# Altium PCB PCB SOM AM625.PcbDoc (part 3 of 6) (continued)
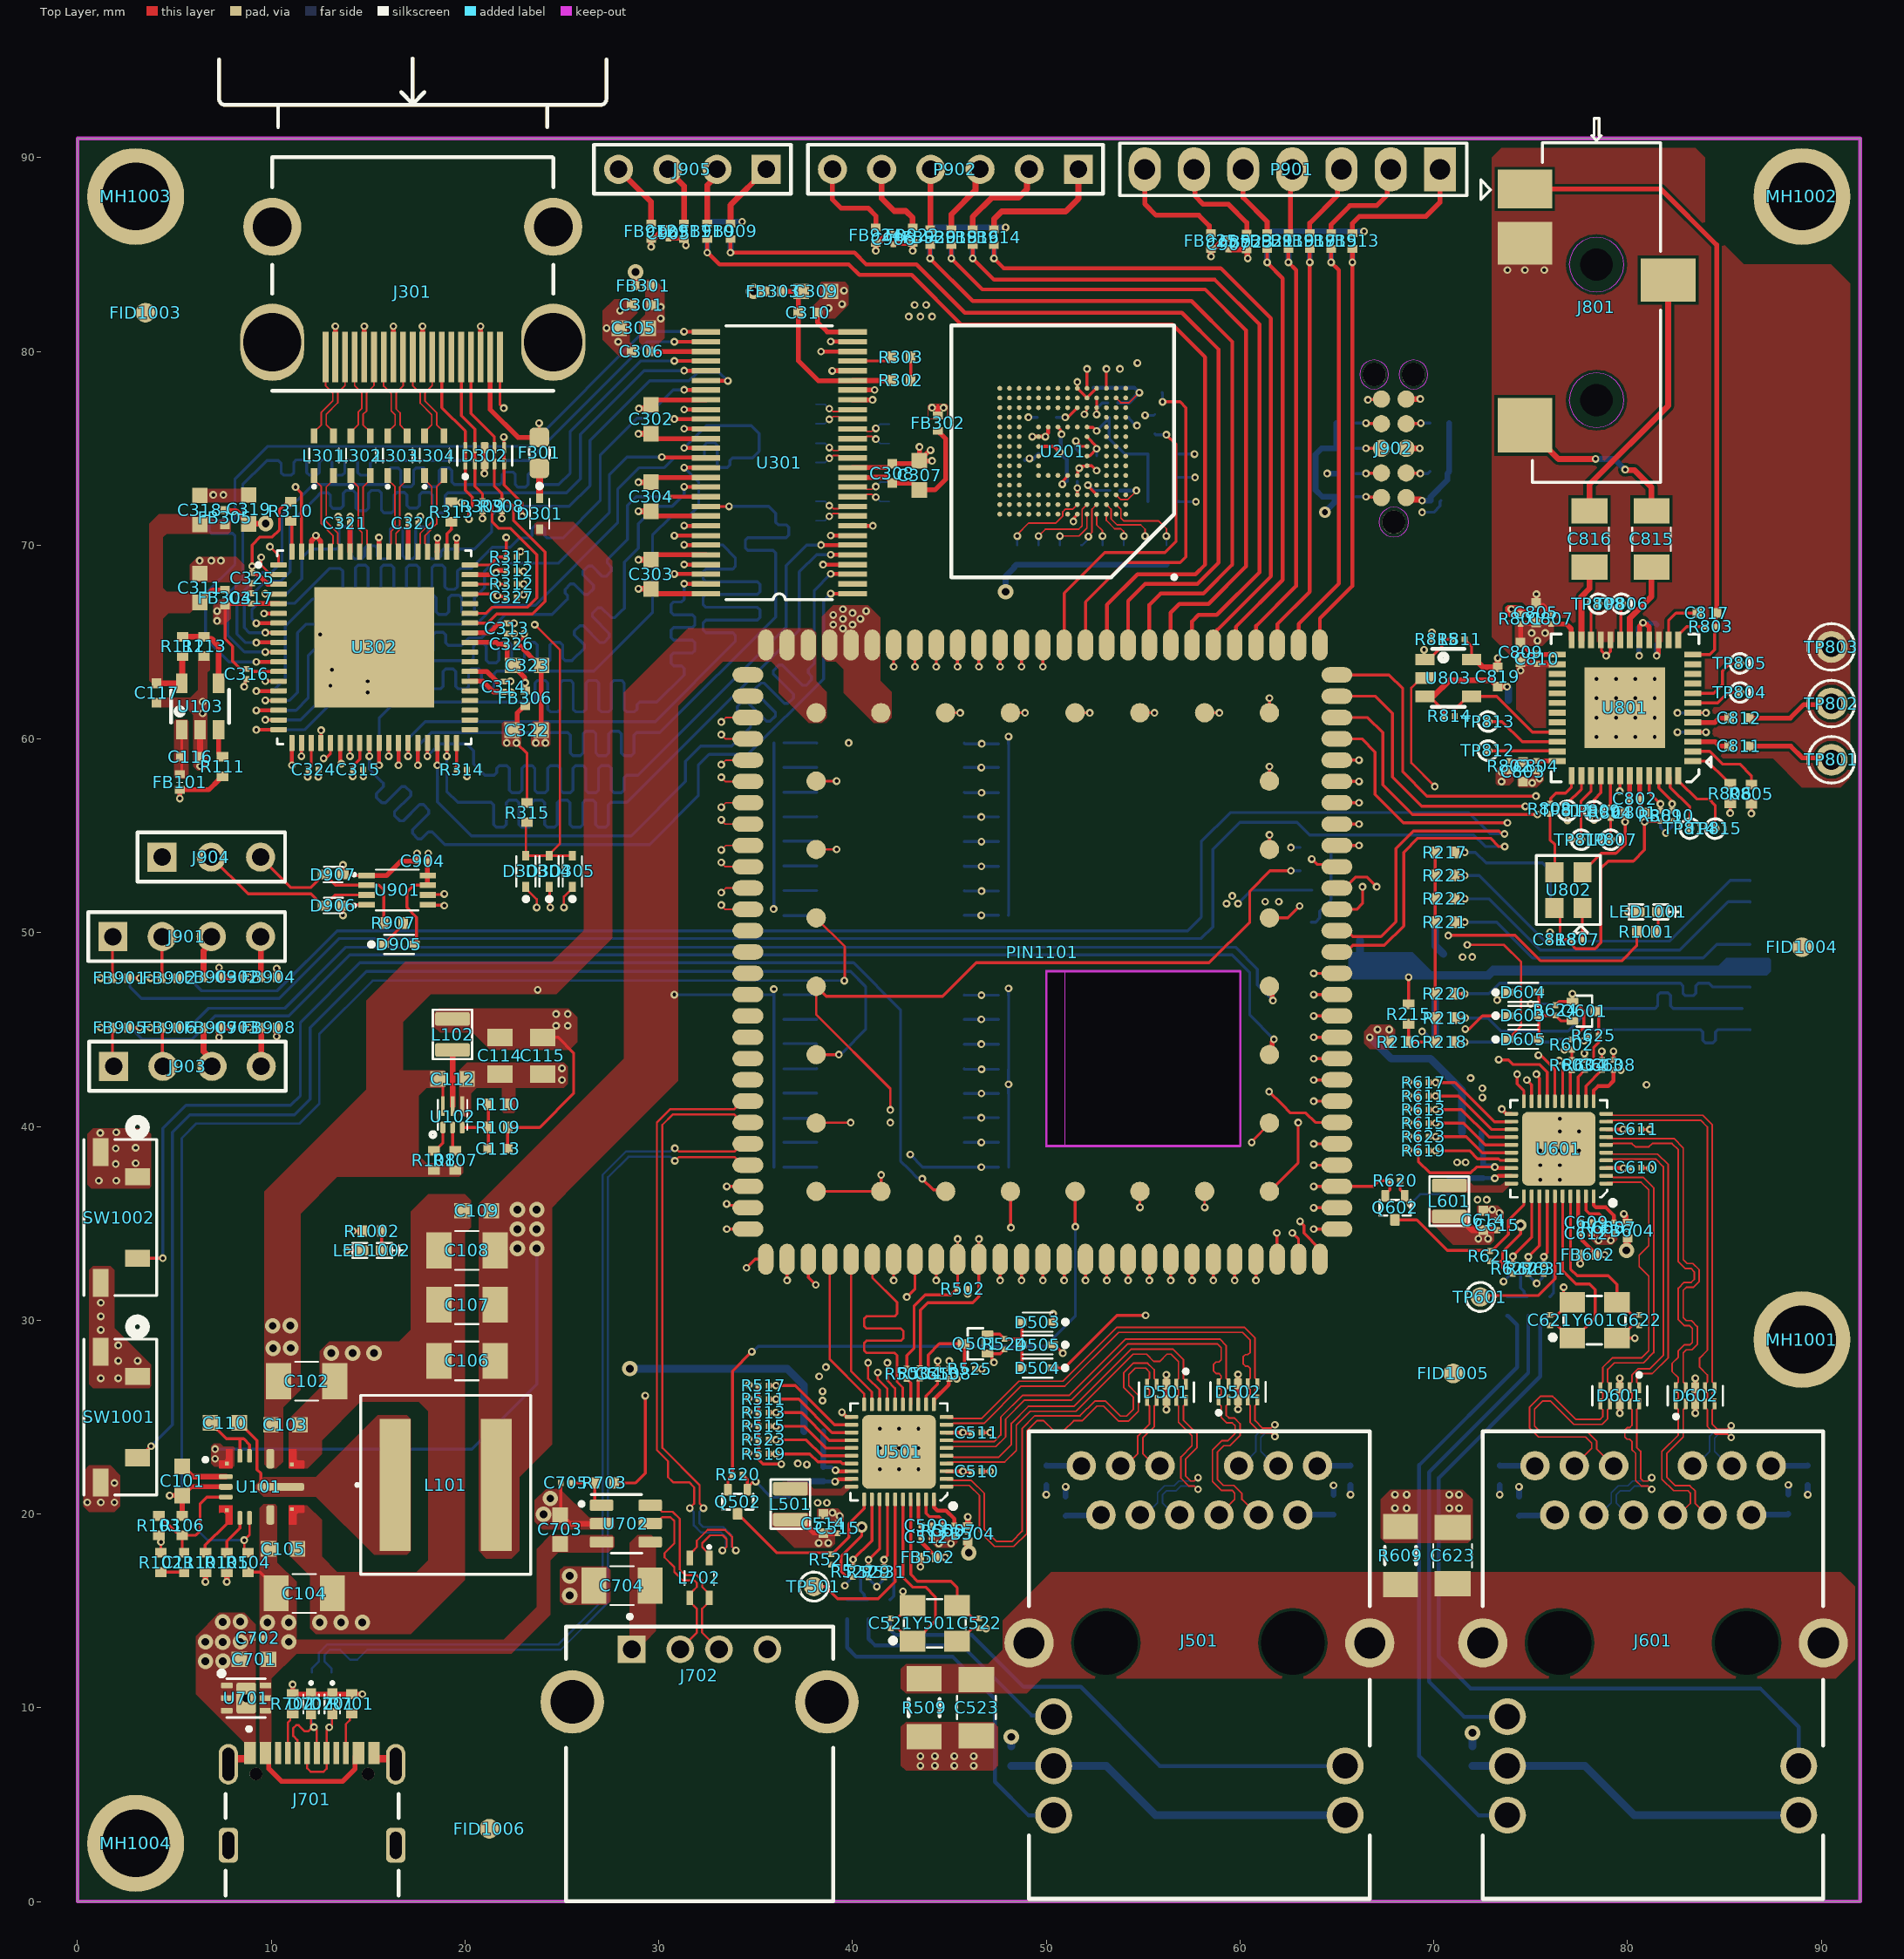
[diagram p0: Top Layer view]
## Nets (pads, with @x,y where several pads share a name; then routed paths per layer and width w, separated by ;. In a path a pad name is that pad's centre, name@x,y a point inside that pad or via, vN(x,y) a via of type N, cw(c..) or ccw(c..) an arc to the next point about the centre after c; other vN are vias at no path point) (continued)
  Top Layer w0.2: v1(38.479,68.996) U301.4@40,68.996 ; U301.8@40,71.003 v1(41.047,71.003) v1@41.05,71 ; U201.H10@49.6,75.1 50.4,75.1 v1(50.7,74.8)
  Top Layer w0.25: v1(4.75,20.95) C101.2@5.4,20.95 ; R106.1@5.4,19.9 C101.2@5.4,20.95 ; U101.3@7.65,21.4 5.85,21.4 C101.2@5.4,20.95 ; v1(11.1,11.2) R702.1@11.1,10.7 D702.1@12.05,10.7 D701.1@13.15,10.7 R701.1@14.15,10.7 v1(14.7,10.7) ; U302.70@12.06,69.666 12.07,69.676 12.07,70.23 v1@12.3,70.459 ; v1(12.3,70.5) v1@12.3,70.459 ; U302.69@12.56,69.666 12.55,69.676 12.55,70.209 v1@12.3,70.459 ; J301.2@13.3,79.715 v1(13.3,81.3) ; J301.5@14.8,79.715 v1(14.8,81.3) ; U901.1@14.924,52.95 15.95,52.95 16.7,53.7 C904.2@17.535,53.7 17.535,54.078 v1(17.52,54.093) ; v1(15.55,70.4) 15.555,70.395 15.555,69.671 U302.63@15.56,69.666 ; J301.8@16.3,79.715 v1(16.3,81.3) ; J301.11@17.8,79.715 v1(17.8,81.3) ; U302.57@18.56,69.666 18.568,69.673 18.568,70.368 v1(18.575,70.375) ; U302.55@19.56,69.666 v1(19.56,70.373) ; U302.43@20.245,63.481 21.119,63.481 21.635,62.965 C314.2@22.1,62.965 ; J301.17@20.8,79.715 v1(20.8,81.3) ; v1(21,73.7) 21.005,73.705 21.005,74.193 D302.3@21.01,74.198 D302.8@21.01,75.033 ; C314.2@22,62.965 22.005,62.97 22.345,62.97 v1(22.35,62.975) ; C313.2@22.136,65.421 C313.2@22.15,65.435 ; C326.2@22.665,64.9 22.69,64.875 22.775,64.875 23.925,63.725 C322.2@23.925,60.45 ; C303.2@29.6,69.25 29.854,69.504 U301.52@32.431,69.504 ; C304.2@29.6,73.25 29.842,73.492 U301.44@32.431,73.492 ; C302.2@29.6,77.25 29.855,77.505 U301.36@32.431,77.505 ; C310.2@38.2,82 38.2,81.5 38.69,81.01 U301.28@40,81.01 ; v1(38.95,79) 38.952,79.002 39.998,79.002 U301.24@40,79.004 ; U301.14@40,74 41.844,74 C308.2@42.05,74.206 43.3,74.206 C307.2@43.45,74.356 ; U301.21@40,77.505 v1(41.03,77.505) ; U301.22@40,78.013 v1(41.137,78.013) ; v1(43.45,75.075) C307.2@43.45,74.356 ; v1(44.025,74.9) 43.994,74.9 C307.2@43.45,74.356 ; v1(44.1,74.35) 43.456,74.35 C307.2@43.45,74.356 ; v1(56.2,25.382) D501.8@56.2,25.865 D501.3@56.2,26.7 v1(56.2,27.183) ; v1(59.9,25.4) D502.3@59.9,25.883 D502.8@59.9,26.718 v1(59.9,27.2) v1@59.9,27.25 ; v1(79.6,25.2) D601.8@79.6,25.683 D601.3@79.6,26.518 v1(79.6,27) v1@79.6,27.05 ; v1(79.875,55.725) C801.2@79.875,56.2 80.11,56.435 C802.2@80.11,56.9 80.114,56.904 80.114,58.102 U801.43@80.119,58.106 ; v1(83.5,25.2) D602.3@83.5,25.683 D602.8@83.5,26.518 v1(83.5,27) v1@83.5,27.05
  Top Layer w0.3: C116.2@6.325,59.075 U103.2@6.325,60.475 ; v1(7.7,16.5) R105.1@7.7,17 ; C903.2@8.5,45.1 v1(8.85,45.1) ; C902.2@8.5,47.7 v1(8.85,47.7) ; v1(10.275,44.65) FB908.2@10.275,45.1 ; FB904.2@10.275,47.7 v1(10.275,48.15) ; C703.2@24.9,19.95 25.35,19.5 U702.2@27.045,19.5 ; v1(28.95,69.25) C303.2@29.6,69.25 ; v1(28.95,73.25) C304.2@29.6,73.25 ; v1(28.975,77.05) 28.994,77.069 29.419,77.069 C302.2@29.6,77.25 ; v1(29.6,85.4) FB912.2@29.6,85.8 29.65,85.85 29.774,85.85 30.289,86.365 C905.2@30.5,86.365 ; v1(41.2,85.2) FB924.2@41.2,85.6 41.25,85.65 41.377,85.65 41.792,86.065 C906.2@42.1,86.065 ; v1(58.5,84.9) FB925.2@58.5,85.3 58.55,85.35 58.71,85.35 59.16,85.8 C907.2@59.4,85.8 ; J902.3@68.57,75 v1(69.275,75) ; J902.5@68.57,77.54 68.575,77.545 69.295,77.545 v1(69.3,77.55) ; U803.3@69.55,62.2 69.975,62.2 70.8,63.025 72.975,63.025 C819.2@73.3,62.7 v1(73.775,62.7)
  Top Layer w0.4: J701.S1@7.78,7.08 7.78,7.09 8.057,7.368 8.8,7.368 8.9,7.468 J701.B12@8.9,7.655 ; J701.B1@15.3,7.655 15.3,7.468 15.4,7.368 16.143,7.368 16.42,7.09 J701.S2@16.42,7.08
  Bottom Layer w0.15: v1(1.19,47.66) D901.1@1.7,47.66 ; v1(1.2,45.1) D903.1@1.7,45.1 ; v1@3.715,47.66 v1(3.76,47.66) D902.1@4.25,47.66 ; v1(3.75,45.1) D904.1@4.25,45.1 ; v1(34.635,23.14) 34.647,23.128 35.122,23.128 R518.1@35.14,23.11 ; v1(34.635,23.865) 34.647,23.852 35.122,23.852 R522.1@35.14,23.835 ; v1(34.635,24.565) 34.647,24.552 35.122,24.552 R514.1@35.14,24.535 ; v1(34.635,25.265) 34.647,25.252 35.122,25.252 R512.1@35.14,25.235 ; v1(34.635,25.965) 34.647,25.952 35.122,25.952 R510.1@35.14,25.935 ; v1(34.64,26.66) 34.652,26.648 35.127,26.648 R516.1@35.145,26.63 ; v1(39.6,16.3) 39.6,16.335 40.015,16.75 R526.1@40.025,16.75 ; R528.1@40.825,16.732 40.9,16.657 40.9,16.6 v1(41.25,16.25) 41.55,16.55 41.55,16.657 R530.1@41.625,16.732 ; v1(48.05,47.125) 48.052,47.122 48.052,46.778 R425.1@48.055,46.775 R426.1@48.055,45.525 R427.1@48.055,44.25 R428.1@48.055,42.95 48.052,42.947 48.052,42.178 v1(48.05,42.175) 48.052,42.172 48.052,41.703 R429.1@48.055,41.7 R430.1@48.055,40.45 R431.1@48.055,39.175 R432.1@48.055,37.9 ; v1(48.05,60.125) 48.052,60.122 48.052,59.753 R417.1@48.055,59.75 R418.1@48.055,58.525 R419.1@48.055,57.225 R420.1@48.055,55.975 R421.1@48.055,54.7 R422.1@48.055,53.425 R423.1@48.055,52.15 R424.1@48.055,50.9 R424.1@48.052,50.897 ; v1(49.075,76.6) R212.1@49.525,76.6 ; v1(50.825,73.15) 50.873,73.198 50.958,73.198 C210.2@51.06,73.3 ; v1(52.148,73.098) 52.202,73.098 52.475,72.825 C212.2@53.285,72.825 ; C201.2@52.6,74.615 v1(52.6,74.975) ; v1(68.695,38.78) 68.707,38.768 69.182,38.768 R618.1@69.2,38.75 ; v1(68.695,39.505) 68.707,39.493 69.182,39.493 R622.1@69.2,39.475 ; v1(68.695,40.205) 68.707,40.193 69.182,40.193 R614.1@69.2,40.175 ; v1(68.695,40.905) 68.707,40.893 69.182,40.893 R612.1@69.2,40.875 ; v1(68.695,41.605) 68.707,41.593 69.182,41.593 R610.1@69.2,41.575 ; v1(68.7,42.3) 68.712,42.288 69.187,42.288 R616.1@69.205,42.27 ; v1(69.4,44.9) 69.448,44.852 69.523,44.852 70.025,44.35 D207.1@70.075,44.35 ; v1(69.4,71.7) 70,71.7 70.323,72.023 70.323,72.258 C901.2@70.365,72.3 ; D210.1@70.075,50.55 D206.1@70.075,54.15 ; v1(73.6,32) 73.925,32.325 74.01,32.325 R626.1@74.08,32.395 ; R628.1@74.88,32.377 74.955,32.302 74.955,32.245 v1(75.305,31.895) 75.605,32.195 75.605,32.302 R630.1@75.68,32.377 ; v1(75,46.325) 75.875,46.325 J201.10@76.025,46.175 ; R812.1@81.7,55.76 81.7,55.425 v1(81.975,55.15) 82.298,55.473 82.298,55.758 R813.1@82.3,55.76
  Bottom Layer w0.2: C205.2@48.9,74.4 48.945,74.445 49.321,74.445 C203.2@49.593,74.716 ; v1(50.785,75.729) 50.747,75.691 50.747,74.847 v1(50.7,74.8) 50.7,74.75 50.85,74.6 50.885,74.6 51.06,74.425 C202.2@51.06,73.975 C210.2@51.06,73.3 ; C206.2@52.425,78.135 C207.2@53.1,78.135 C209.2@53.85,78.135 54.54,78.135 v1(54.8,77.875) 54.275,77.35 C208.2@53.705,77.35
  Bottom Layer w0.3: D909.1@32.5,86.7 D908.1@33.7,86.7 v1(34.3,86.7) ; D913.1@44,86.4 D912.1@45.1,86.4 D911.1@46.2,86.4 D910.1@47.3,86.4 v1(47.9,86.4) ; v1(50,21) C516.2@50,21.5 ; C517.2@51,20.9 v1(51,21.4) ; D918.1@61.4,86.2 D917.1@62.5,86.2 D916.1@63.6,86.2 D915.1@64.7,86.2 D914.1@65.8,86.2 v1(66.4,86.2) ; v1(64.5,73.7) R906.1@64.97,73.7 ; C518.2@64.825,20.975 v1(64.825,21.475) ; v1(65.7,21) C519.2@65.7,21.5 ; v1(73.4,21) C616.2@73.4,21.5 ; C617.2@74.4,20.9 v1(74.4,21.4) ; C618.2@88.3,21 v1(88.3,21.5) ; v1(89.3,21) C619.2@89.3,21.5
  Bottom Layer w0.4: C520.2@48.195,8.005 v2(48.195,8.495) ; D207.1@70.075,44.35 D209.1@70.075,46.85 ; D210.1@70.075,50.55 70.075,49.325 C215.2@70.5,48.9 ; C620.2@72,8 v2(72,8.7) ; v1(73.775,62.7) 73.85,62.625 FB801.2@73.85,62
  other v1: 43.5,7 44.25,7 45.25,7 46.25,7 43.5,7.5 44.25,7.5 45.25,7.5 46.25,7.5 44.45,18.475 45.075,18.475 39.335,19.89 38.96,20.065 68,20.3 68.6,20.3 70.8,20.3 71.3,20.3 38.2,20.575 38.675,20.575 0.5,20.6 1.2,20.6 1.9,20.6 68,21 68.6,21 70.8,21 71.3,21 1.9,21.6 41.4,22.3 42.4,22.3 43.4,22.3 37.64,22.546 37.175,22.603 41.4,23.4 42.4,23.4 43.4,23.4 41.4,24.4 42.4,24.4 43.4,24.4 38.45,25.85 38.451,26.327 1.2,27 2.1,27 2.1,27.9 3.1,27.9 2.1,28.7 1.2,29.5 1.2,30.2 1.2,30.9 78.505,34.12 79.13,34.12 73.39,35.535 73.015,35.71 72.255,36.22 72.73,36.22 1.1,37.2 2,37.2 75.5,37.25 76.5,37.25 75.5,38 76.5,38 1.969,38.066 3,38.1 71.2,38.146 71.644,38.146 75.5,38.75 76.5,38.75 77.5,38.75 1.969,38.866 3,38.9 1.169,39.666 2,39.7 76.5,39.75 77.5,39.75 76.5,40.4 72.505,41.495 72.506,41.972 25,42.4 25,43 71.483,48.746 71.986,48.749 61.3,51.6 62,51.6 75.078,57.731 75.45,57.961 6.325,58.6 23.65,59.8 24.15,59.8 6.45,61.325 6.45,61.925 14.975,62.4 13.05,62.75 14.975,62.975 13.125,63.575 12.525,65.4 39.5,65.7 39,65.9 40,65.9 39.5,66.2 40.4,66.2 39,66.4 40,66.5 40.7,66.6 39.5,66.7 6.3,69.2 6.9,69.2 7.4,69.2 22.861,69.676 7,72.6 7.525,72.6 49.133,74.478 27.9,80.5 27.3,81.2 28,82.1 38.757,82.239 39.457,82.439 39.557,83.139
  other v2: 8.7,10.481 6.6,12.4 7.5,12.4 6.6,13.4 7.492,13.387 8.4,13.4 7.492,14.425 12.5,14.4 13.6,14.4 14.7,14.4 8.4,14.438 25.4,15.8 25.4,16.8 24.05,19.975 24.4,20.8 13.1,28.3 14.2,28.3 15.3,28.3
GND_E: C523.2 C623.2 J501.18 J501.19 J601.18 J601.19 R509.2 R609.2
GPIO1: TP812.1 U801.35 | length 3.6
  Top Layer w0.15: TP812.1@72.8,59.4 72.822,59.378 76.347,59.378 U801.35@76.369,59.357
GPIO2: TP813.1 U801.34 | length 3.9
  Top Layer w0.15: TP813.1@72.875,60.9 73.525,60.9 74.569,59.856 U801.34@76.369,59.856
GPIO_AUD_RSTn: PIN1101.130 R811.1 R815.2 U803.1 | length 39.4
  Top Layer w0.122: v1(69.5,64.6) 69.5,64.15 U803.1@69.55,64.1
  Top Layer w0.15: PIN1101.130@61.515,36.65 63,38.135 v1(63,40.2) ; U803.1@69.55,64.1 69.75,64.1 70.425,64.775 R815.2@70.425,65.15 R811.1@71.06,65.15
  Layer 4 w0.122: v1(63,40.2) 64.1,40.2 64.6,40.7 64.6,51.6 64.2,52 62.9,52 62.1,52.8 62.1,57.1 62.6,57.6 62.6,61.1 63.1,61.6 64.6,61.6 67.6,64.6 v1(69.5,64.6)
HDMI_CEC: D302.1 D302.10 J301.13 U302.71 | length 22.2
  Top Layer w0.15: v1(11.25,73) 11.56,72.689 U302.71@11.56,69.666 ; J301.13@18.8,79.715 18.8,77.1 20.01,75.89 D302.10@20.01,75.033 D302.1@20.01,74.198 20.01,72.84 20.375,72.475 20.375,72.034 20.2,71.859 v1(20.2,71.35)
  Layer 4 w0.122: v1(11.25,73) 12.05,72.2 18.8,72.2 19.65,71.35 v1(20.2,71.35)
HDMI_CLKOUT: U301.26 U302.22 | length 52.4
  Top Layer w0.15: U302.22@12.56,59.796 12.568,59.803 12.568,60.443 v1(12.575,60.45)
  Top Layer w0.2: v1(38.37,79.993) 38.372,79.994 U301.26@40,79.994 U301.26@40.001,79.996
  Layer 4 w0.122: v1(12.575,60.45) 13.175,59.85 13.175,57.625 13.725,57.075 30.8,57.075 31.875,58.15 31.875,63.55 34.637,66.313 36.575,66.313 38.262,68 39.1,68 39.65,68.55 39.65,79.4 39.057,79.993 v1(38.37,79.993)
HDMI_D0: U301.27 U302.13 | length 43.5
  Top Layer w0.15: v1(9.69,62.986) 9.695,62.981 U302.13@10.375,62.981
  Top Layer w0.2: v1(38.876,80.51) 38.884,80.502 U301.27@40,80.502
  Layer 4 w0.122: v1(9.69,62.986) 9.389,62.986 8.725,63.65 8.725,66.325 9.325,66.925 10.5,66.925 14.475,70.9 23.6,70.9 25.775,73.075 25.775,76 28.275,78.5 32.65,78.5 34.66,80.51 v1(38.876,80.51)
HDMI_D1: U301.29 U302.11 | length 43
  Top Layer w0.2: v1(9.225,63.975) 9.228,63.978 10.373,63.978 U302.11@10.375,63.981 ; v1(31.3,81.025) 31.307,81.018 32.423,81.018 U301.29@32.431,81.01
  Bottom Layer w0.15: v1(9.225,63.975) 7.825,63.975 6.6,65.2 6.6,67.5 8.125,69.025 8.125,70.411 8.125,70.486 7.993,70.618 6.912,70.618 6.78,70.75 6.78,71.144 6.912,71.276 7.993,71.276 8.125,71.408 8.125,71.802 8.125,73.425 9.8,75.1 23.3,75.1 29.225,81.025 v1(31.3,81.025)
HDMI_D2: U301.30 U302.10 | length 43.1
  Top Layer w0.15: v1(9.69,64.486) 9.695,64.481 U302.10@10.375,64.481 U302.10@10.38,64.476
  Top Layer w0.2: v1(30.8,80.5) 30.801,80.501 32.43,80.501 U301.30@32.431,80.502
  Bottom Layer w0.15: v1(9.69,64.486) 8.614,64.486 7.75,65.35 7.75,67.475 8.525,68.25 8.525,73.125 9.639,74.239 9.775,74.375 10.372,74.375 10.503,74.243 10.503,73.748 10.635,73.617 11.03,73.617 11.161,73.748 11.161,74.272 11.293,74.404 11.688,74.404 11.819,74.272 11.819,73.748 11.951,73.617 12.346,73.617 12.477,73.748 12.477,74.272 12.609,74.404 13.004,74.404 13.135,74.272 13.135,73.748 13.267,73.617 13.662,73.617 13.793,73.748 13.793,74.272 13.925,74.404 14.32,74.404 14.451,74.272 14.451,73.748 14.583,73.617 14.978,73.617 15.109,73.748 15.109,74.243 15.241,74.375 16.613,74.375 23.275,74.375 29.4,80.5 v1(30.8,80.5)
HDMI_D3: U301.32 U302.9 | length 43
  Top Layer w0.2: v1(9.225,64.975) 9.228,64.978 10.373,64.978 U302.9@10.375,64.981 ; v1(30.801,79.511) 30.802,79.512 U301.32@32.431,79.512 U301.32@32.432,79.513
  Bottom Layer w0.15: v1(9.225,64.975) 8.675,64.975 8.225,65.425 8.225,67.275 9.55,68.6 10.025,68.6 10.55,69.125 10.55,71.525 12.15,73.125 15.824,73.125 15.899,73.125 16.03,73.257 16.03,73.852 16.162,73.984 16.557,73.984 16.688,73.852 16.688,73.157 16.82,73.025 17.215,73.025 17.346,73.157 17.346,73.852 17.478,73.984 17.873,73.984 18.004,73.852 18.004,73.157 18.136,73.025 18.531,73.025 18.662,73.157 18.662,73.852 18.794,73.984 19.189,73.984 19.32,73.852 19.32,73.257 19.452,73.125 20.731,73.125 21.725,73.125 21.8,73.125 21.932,73.257 21.932,73.644 22.063,73.776 22.458,73.776 22.59,73.644 22.59,73.132 22.721,73 23.116,73 23.248,73.132 23.248,73.644 23.379,73.776 23.774,73.776 23.906,73.644 23.906,73.257 24.037,73.125 24.528,73.125 24.825,73.125 25.425,73.725 25.425,75.875 29.061,79.511 v1(30.801,79.511)
HDMI_D4: U301.33 U302.8 | length 43
  Top Layer w0.15: v1(9.69,65.486) 9.695,65.481 U302.8@10.375,65.481 U302.8@10.38,65.476
  Top Layer w0.2: v1(31.307,79.011) 31.315,79.004 U301.33@32.431,79.004 U301.33@32.438,78.997
  Bottom Layer w0.15: v1(9.69,65.486) 8.864,65.486 8.6,65.75 8.6,67.05 9.7,68.15 10.5,68.15 10.975,68.625 10.975,71.125 12.317,72.467 12.55,72.7 12.918,72.7 13.05,72.568 13.05,72.034 13.181,71.902 13.576,71.902 13.708,72.034 13.708,72.693 13.839,72.825 14.234,72.825 14.366,72.693 14.366,71.917 14.497,71.785 14.892,71.785 15.024,71.917 15.024,72.693 15.155,72.825 15.55,72.825 15.682,72.693 15.682,71.796 15.813,71.664 16.208,71.664 16.34,71.796 16.34,72.593 16.471,72.725 16.866,72.725 16.998,72.593 16.998,72.043 17.129,71.911 17.524,71.911 17.656,72.043 17.656,72.593 17.787,72.725 18.182,72.725 18.314,72.593 18.314,71.796 18.445,71.664 18.84,71.664 18.972,71.796 18.972,72.568 19.103,72.7 19.445,72.7 25.225,72.7 25.95,73.425 25.95,75.725 29.236,79.011 v1(31.307,79.011)
HDMI_D5: U301.34 U302.4 | length 43
  Top Layer w0.15: v1(9.685,67.491) 9.69,67.486 10.37,67.486 U302.4@10.375,67.481
  Top Layer w0.2: U301.34@32.438,78.489 v1@33.554,78.489
  Bottom Layer w0.15: v1(9.685,67.491) 10.791,67.491 11.575,68.275 11.575,69.35 12.025,69.8 13.29,69.8 13.365,69.8 13.496,69.932 13.496,70.824 13.628,70.956 14.023,70.956 14.154,70.824 14.154,69.432 14.286,69.3 14.681,69.3 14.812,69.432 14.812,69.843 14.944,69.975 15.339,69.975 15.47,69.843 15.47,69.432 15.602,69.3 15.997,69.3 16.128,69.432 16.128,70.824 16.26,70.956 16.655,70.956 16.786,70.824 16.786,69.432 16.918,69.3 17.313,69.3 17.444,69.432 17.444,70.824 17.576,70.956 17.971,70.956 18.102,70.824 18.102,69.432 18.234,69.3 18.629,69.3 18.76,69.432 18.76,69.668 18.892,69.8 19.046,69.8 20.475,69.8 21.375,70.7 21.375,71.55 21.825,72 25.375,72 26.45,73.075 26.45,75.4 29.531,78.481 31.556,78.481 32,78.925 33.118,78.925 v1(33.562,78.481)
HDMI_D6: U301.35 U302.7 | length 43.1
  Top Layer w0.2: v1(9.225,65.975) 9.228,65.978 10.373,65.978 U302.7@10.375,65.981 ; v1(31.307,78.021) 31.315,78.013 U301.35@32.431,78.013 U301.35@32.438,78.006
  Bottom Layer w0.15: v1(9.225,65.975) 9,66.2 9,66.7 9.3,67 11.2,67 12.82,68.62 13,68.8 13.553,68.8 13.685,68.668 13.685,67.853 13.816,67.722 14.211,67.722 14.343,67.853 14.343,68.842 14.474,68.974 14.869,68.974 15.001,68.842 15.001,67.853 15.132,67.722 15.527,67.722 15.659,67.853 15.659,68.842 15.79,68.974 16.185,68.974 16.317,68.842 16.317,67.853 16.448,67.722 16.843,67.722 16.975,67.853 16.975,68.842 17.106,68.974 17.501,68.974 17.633,68.842 17.633,67.853 17.764,67.722 18.159,67.722 18.291,67.853 18.291,68.842 18.422,68.974 18.817,68.974 18.949,68.842 18.949,67.853 19.08,67.722 19.475,67.722 19.607,67.853 19.607,68.668 19.738,68.8 20.228,68.8 20.3,68.8 21.4,69.9 22.325,69.9 22.8,70.375 23.25,70.375 23.325,70.375 23.457,70.507 23.457,70.87 23.588,71.002 23.983,71.002 24.115,70.87 24.115,70.507 24.246,70.375 24.8,70.375 25.05,70.375 26.975,72.3 26.975,74.65 28.875,76.55 29.275,76.55 30.745,78.021 v1(31.307,78.021)
HDMI_D7: U301.37 U302.23 | length 43.5
  Top Layer w0.15: v1(12.7,59) 12.748,59.048 12.848,59.048 13.051,59.251 13.051,59.787 U302.23@13.06,59.796
  Top Layer w0.2: v1(31.307,77.005) 31.315,76.997 U301.37@32.431,76.997 U301.37@32.438,76.99
  Layer 4 w0.122: v1(12.7,59) 12.7,58.94 12.85,58.79 12.85,57.875 12.55,57.575 10.775,57.575 10.175,58.175 10.175,64.875 14.45,69.15 15.65,69.15 16.341,69.15 16.467,69.024 16.467,68.655 16.593,68.529 16.971,68.529 17.097,68.655 17.097,69.034 17.223,69.16 17.601,69.16 17.727,69.034 17.727,68.655 17.853,68.529 18.231,68.529 18.357,68.655 18.357,69.024 18.483,69.15 19,69.15 23.55,69.15 26.825,72.425 26.825,75.65 28.75,77.575 29.425,77.575 29.995,77.005 v1(31.307,77.005)
HDMI_D8: U301.38 U302.20 | length 43.5
  Top Layer w0.15: v1(11.555,59.111) 11.56,59.116 U302.20@11.56,59.796 U302.20@11.565,59.801
  Top Layer w0.2: v1(30.801,76.513) 30.802,76.515 U301.38@32.431,76.515 U301.38@32.432,76.516
  Layer 4 w0.122: v1(11.555,59.111) 11.555,58.405 11.3,58.15 10.825,58.15 10.575,58.4 10.575,64.3 13.15,66.875 14.95,66.875 15.011,66.875 15.137,67.001 15.137,67.285 15.263,67.411 15.641,67.411 15.767,67.285 15.767,66.449 15.893,66.323 16.271,66.323 16.397,66.449 16.397,67.285 16.523,67.411 16.901,67.411 17.027,67.285 17.027,66.449 17.153,66.323 17.531,66.323 17.657,66.449 17.657,67.285 17.783,67.411 18.161,67.411 18.287,67.285 18.287,66.449 18.413,66.323 18.79,66.323 18.916,66.449 18.916,66.749 19.042,66.875 19.489,66.875 23.375,66.875 27.5,71 27.5,75.475 28.538,76.513 v1(30.801,76.513)
HDMI_D9: U301.39 U302.19 | length 43.5
  Top Layer w0.2: U302.19@11.06,59.796 11.063,59.793 11.063,58.648 v1(11.066,58.645) ; v1(31.307,76.014) 31.315,76.007 U301.39@32.431,76.007 U301.39@32.438,75.999
  Layer 4 w0.122: v1(11.066,58.645) 11.066,63.741 12.025,64.7 14.298,64.7 14.359,64.7 14.485,64.826 14.485,65.368 14.611,65.494 14.988,65.494 15.114,65.368 15.114,64.674 15.24,64.548 15.618,64.548 15.744,64.674 15.744,65.368 15.87,65.494 16.248,65.494 16.374,65.368 16.374,64.674 16.5,64.548 16.878,64.548 17.004,64.674 17.004,65.368 17.13,65.494 17.508,65.494 17.634,65.368 17.634,64.674 17.76,64.548 18.138,64.548 18.264,64.674 18.264,65.368 18.39,65.494 18.768,65.494 18.894,65.368 18.894,64.674 19.02,64.548 19.398,64.548 19.524,64.674 19.524,65.368 19.65,65.494 20.028,65.494 20.154,65.368 20.154,64.826 20.28,64.7 21.275,64.7 23.825,64.7 24.45,65.325 24.45,67.025 28.05,70.625 28.05,74.175 29.214,75.339 29.889,76.014 v1(31.307,76.014)
HDMI_D10: U301.41 U302.15 | length 43
  Top Layer w0.15: v1(9.69,61.986) 9.695,61.981 U302.15@10.375,61.981 U302.15@10.38,61.976
  Top Layer w0.2: v1(31.307,75.023) 31.315,75.016 U301.41@32.431,75.016 U301.41@32.438,75.009
  Bottom Layer w0.15: v1(9.69,61.986) 10.936,61.986 11.35,62.4 11.35,65.475 11.8,65.925 20.6,65.925 21.575,66.9 23.625,66.9 27.875,71.15 27.875,72.875 29,74 30.284,74 30.796,74.512 32.15,74.512 32.225,74.512 32.357,74.643 32.357,75.167 32.488,75.298 32.883,75.298 33.015,75.167 33.015,74.143 33.146,74.012 33.541,74.012 33.673,74.143 33.673,74.38 33.804,74.512 34.532,74.512 34.837,74.512 35.175,74.85 35.175,75.775 34.775,76.175 32.459,76.175 v1(31.307,75.023)
HDMI_D11: U301.42 U302.14 | length 43
  Top Layer w0.2: v1(9.225,62.475) 9.228,62.478 10.373,62.478 U302.14@10.375,62.481 ; v1(30.15,74.55) 30.171,74.529 32.41,74.529 U301.42@32.431,74.508
  Bottom Layer w0.15: v1(9.225,62.475) 10.075,62.475 10.725,63.125 10.725,65.825 12.125,67.225 12.376,67.225 12.451,67.225 12.583,67.357 12.583,67.496 12.714,67.628 13.109,67.628 13.241,67.496 13.241,66.565 13.372,66.433 13.767,66.433 13.899,66.565 13.899,67.29 14.03,67.422 14.425,67.422 14.557,67.29 14.557,66.565 14.688,66.433 15.083,66.433 15.215,66.565 15.215,67.29 15.346,67.422 15.741,67.422 15.873,67.29 15.873,66.565 16.004,66.433 16.399,66.433 16.531,66.565 16.531,67.29 16.662,67.422 17.057,67.422 17.189,67.29 17.189,66.565 17.32,66.433 17.715,66.433 17.847,66.565 17.847,67.29 17.978,67.422 18.373,67.422 18.505,67.29 18.505,66.565 18.636,66.433 19.031,66.433 19.163,66.565 19.163,67.29 19.294,67.422 19.689,67.422 19.821,67.29 19.821,66.565 19.952,66.433 20.347,66.433 20.479,66.565 20.479,67.279 20.803,67.603 21,67.8 21,68.65 21.425,69.075 24.825,69.075 27.45,71.7 27.45,73.65 28.35,74.55 v1(30.15,74.55)
HDMI_D12: U301.43 U302.18 | length 43
  Top Layer w0.2: v1(9.225,60.475) 9.228,60.478 10.373,60.478 U302.18@10.375,60.481 ; v1(31.307,74.007) 31.315,74 U301.43@32.431,74 U301.43@32.438,73.993
  Bottom Layer w0.15: v1(9.225,60.475) 11.7,60.475 14.712,63.487 14.725,63.5 15.445,63.5 15.577,63.368 15.577,62.72 15.708,62.589 16.103,62.589 16.235,62.72 16.235,63.48 16.366,63.611 16.761,63.611 16.893,63.48 16.893,62.72 17.024,62.589 17.419,62.589 17.551,62.72 17.551,63.48 17.682,63.611 18.077,63.611 18.209,63.48 18.209,62.72 18.34,62.589 18.735,62.589 18.867,62.72 18.867,63.48 18.998,63.611 19.393,63.611 19.525,63.48 19.525,62.72 19.656,62.589 20.051,62.589 20.183,62.72 20.183,63.48 20.314,63.611 20.709,63.611 20.841,63.48 20.841,62.72 20.972,62.589 21.367,62.589 21.499,62.72 21.499,63.368 21.63,63.5 21.85,63.5 26.65,63.5 29.675,66.525 29.675,70.512 30.638,71.475 31.5,71.475 32.063,72.038 32.063,73.252 v1(31.307,74.007)
HDMI_D13: U301.45 U302.17 | length 43
  Top Layer w0.15: v1(9.69,60.986) 9.695,60.981 U302.17@10.375,60.981 U302.17@10.38,60.976
  Top Layer w0.2: v1(31.307,73.017) 31.315,73.009 U301.45@32.431,73.009 U301.45@32.438,73.002
  Bottom Layer w0.15: v1(9.69,60.986) 11.511,60.986 12.525,62 12.525,63.725 12.85,64.05 20.225,64.05 20.3,64.05 20.432,64.182 20.432,64.793 20.563,64.925 20.958,64.925 21.09,64.793 21.09,64.057 21.221,63.925 21.616,63.925 21.748,64.057 21.748,64.853 21.879,64.985 22.274,64.985 22.406,64.853 22.406,64.057 22.537,63.925 22.932,63.925 23.064,64.057 23.064,64.853 23.195,64.985 23.59,64.985 23.722,64.853 23.722,64.057 23.853,63.925 24.248,63.925 24.38,64.057 24.38,64.853 24.511,64.985 24.906,64.985 25.038,64.853 25.038,64.182 25.169,64.05 25.525,64.05 25.575,64.1 26.1,64.625 26.153,64.678 26.153,64.864 25.641,65.376 25.641,65.563 25.92,65.842 26.106,65.842 26.972,64.976 27.158,64.976 27.437,65.255 27.437,65.441 26.571,66.307 26.571,66.493 26.85,66.772 27.037,66.772 27.549,66.26 27.735,66.26 28.055,66.58 28.224,66.749 28.224,69.126 28.95,69.851 28.95,71.118 29.832,72 30.688,72 31.307,72.619 v1(31.307,73.017)
HDMI_D14: U301.46 U302.16 | length 43
  Top Layer w0.2: v1(9.225,61.475) 9.228,61.478 10.373,61.478 U302.16@10.375,61.481 ; v1@30.451,72.501 U301.46@32.43,72.501
  Bottom Layer w0.15: v1(9.225,61.475) 11.275,61.475 11.9,62.1 11.9,64.3 12.425,64.825 12.876,64.825 12.951,64.825 13.082,64.957 13.082,65.377 13.214,65.509 13.609,65.509 13.74,65.377 13.74,64.557 13.872,64.425 14.267,64.425 14.398,64.557 14.398,65.377 14.53,65.509 14.925,65.509 15.056,65.377 15.056,64.557 15.188,64.425 15.583,64.425 15.714,64.557 15.714,65.377 15.846,65.509 16.241,65.509 16.372,65.377 16.372,64.557 16.504,64.425 16.899,64.425 17.03,64.557 17.03,65.377 17.162,65.509 17.557,65.509 17.688,65.377 17.688,64.557 17.82,64.425 18.215,64.425 18.346,64.557 18.346,65.377 18.478,65.509 18.873,65.509 19.004,65.377 19.004,64.957 19.136,64.825 19.732,64.825 19.825,64.825 20.225,65.225 20.875,65.225 22.075,66.425 24.5,66.425 25.237,67.162 25.291,67.216 25.291,67.402 25.158,67.534 25.158,67.72 25.437,67.999 25.623,67.999 26.158,67.465 26.344,67.465 26.623,67.744 26.623,67.93 26.089,68.465 26.089,68.651 26.368,68.93 26.554,68.93 27.089,68.395 27.275,68.395 27.554,68.674 27.554,68.861 27.338,69.077 27.338,69.263 27.637,69.563 28.375,70.3 28.375,72.05 28.825,72.5 v1(30.45,72.5)
HDMI_D15: U301.47 U302.32 | length 43
  Top Layer w0.15: U301.47@32.431,71.993 32.434,71.997 33.622,71.997 v1(33.625,72)
  Top Layer w0.2: U302.32@17.56,59.796 17.563,59.793 17.563,58.648 v1(17.566,58.645)
  Bottom Layer w0.15: v1(17.566,58.645) 17.566,59.641 18.25,60.325 24.572,60.325 25.305,60.325 25.437,60.193 25.437,59.263 25.569,59.132 25.963,59.132 26.095,59.263 26.095,60.262 26.227,60.394 26.621,60.394 26.753,60.262 26.753,59.263 26.885,59.132 27.279,59.132 27.411,59.263 27.411,60.262 27.543,60.394 27.937,60.394 28.069,60.262 28.069,59.263 28.201,59.132 28.595,59.132 28.727,59.263 28.727,60.193 28.859,60.325 29.7,60.325 30.05,60.325 36.025,66.3 36.025,69.529 36.025,69.604 35.893,69.736 34.598,69.736 34.466,69.868 34.466,70.262 34.598,70.394 36.581,70.394 36.713,70.526 36.713,70.92 36.581,71.052 36.157,71.052 36.025,71.184 36.025,71.35 36.025,71.65 35.675,72 v1(33.625,72)
HDMI_D16: U301.49 U302.25 | length 43.5
  Top Layer w0.15: v1(14.055,59.111) 14.06,59.116 U302.25@14.06,59.796
  Top Layer w0.2: v1(31.307,71.01) 31.315,71.003 U301.49@32.431,71.003
  Layer 4 w0.122: v1(14.055,59.111) 14.055,61.406 14.575,61.925 27.2,61.925 27.825,62.55 27.825,63.274 27.825,63.335 27.699,63.461 27.156,63.461 27.03,63.587 27.03,63.965 27.156,64.091 29.137,64.091 29.262,64.217 29.262,64.595 29.137,64.721 27.156,64.721 27.03,64.847 27.03,65.224 27.156,65.35 29.137,65.35 29.262,65.476 29.262,65.854 29.137,65.98 27.156,65.98 27.03,66.106 27.03,66.484 27.156,66.61 29.137,66.61 29.262,66.736 29.262,67.114 29.137,67.24 27.951,67.24 27.825,67.366 27.825,67.575 27.825,68 28.45,68.625 29.675,68.625 30.575,69.525 31.9,69.525 32.45,70.075 32.45,70.55 31.99,71.01 v1(31.307,71.01)